# Altium PCB top_INA_v1.PcbDoc (part 3 of 4)
Units mil, origin at the board's own origin, x right, y up, seen from the top; angles counter-clockwise.
Board outline 13413.03 x 6200.01 mil, 2 copper layers (Top Layer, Bottom Layer); 588 components, 500 nets, 1582 pads, 343 vias.
Unrouted connection lines stored in the file: 191.
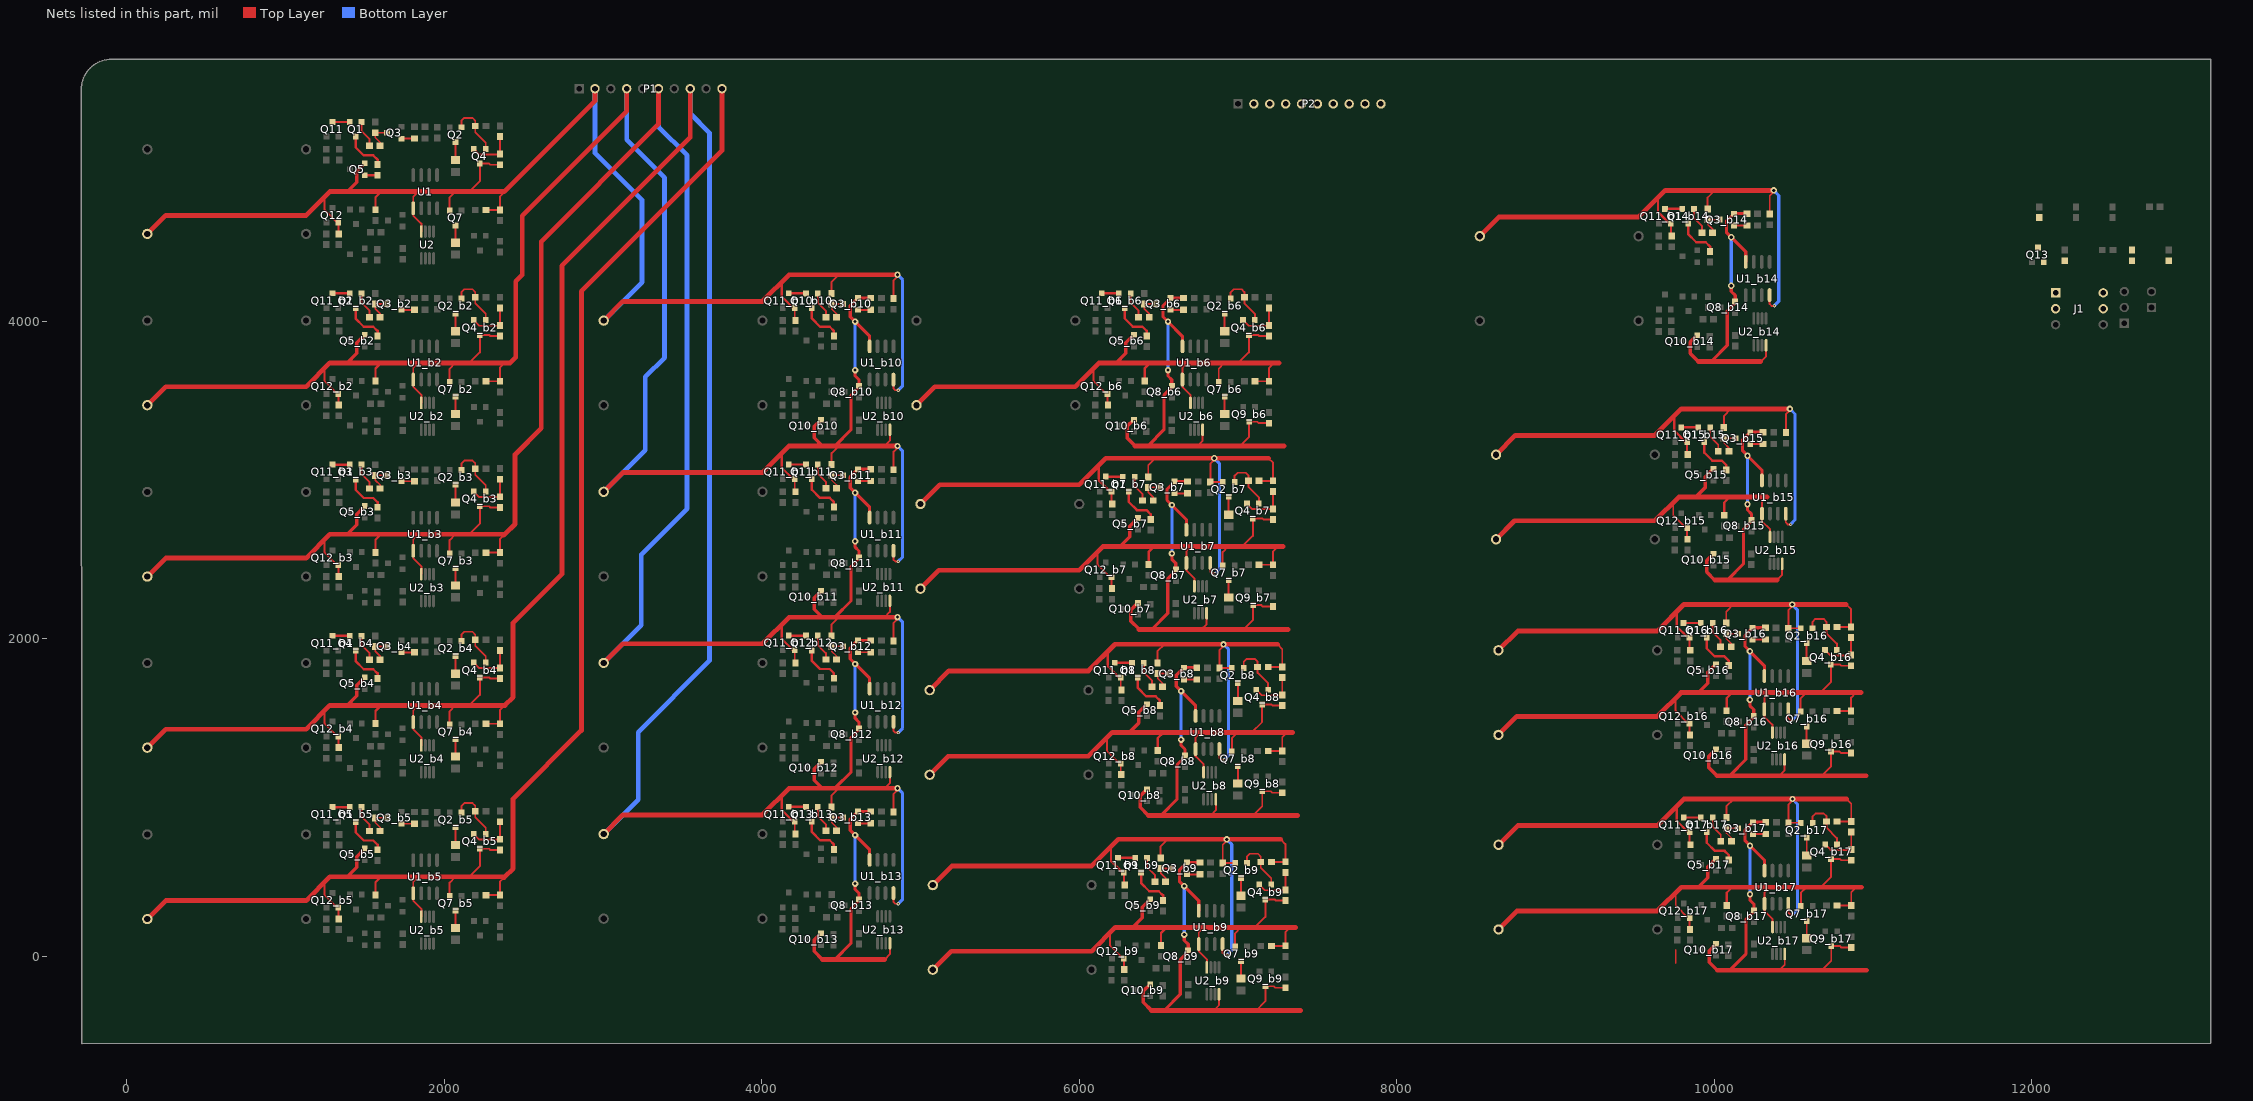
[diagram p3: the nets of this part, all layers, seen from the top]

## Via types
v1: diameter 20, hole 10, Top Layer to Bottom Layer, 290 vias
v2: diameter 40, hole 20, Top Layer to Bottom Layer, 51 vias
v3: diameter 125.98, hole 125.98, Top Layer to Bottom Layer, 2 vias

## Nets (pads, with @x,y where several pads share a name; then routed paths per layer and width w, separated by ;. In a path a pad name is that pad's centre, name@x,y a point inside that pad or via, vN(x,y) a via of type N, cw(c..) or ccw(c..) an arc to the next point about the centre after c; other vN are vias at no path point) (continued)
IN_A6: P2.3 Q2_b7.2 Q3_b6.2 Q5_b15.2 Q8_b6.2 Q9_b6.3 Q10_b6.2 Q11_b7.2 Q12_b15.2 R1_b7.2 R6_b7.2 R7_b7.2 R8_b7.2 R9_b7.2 R12_b6.1 R14_b15.2 R19_b15.2 R24_b6.1 R40_b7.1 R42_b15.1 U1_b6.4 U1_b7.8 U1_b15.5 U2_b6.4 U2_b15.8 | length 9643.9
  Top Layer w12: Q11_b7.2@6203.4,2927.74 6203.4,2853.06 R40_b7.1@6208,2848.46 ; R6_b7.2@6434.87,3019.2 6434.87,3091.53 6479.61,3136.28 ; 6742.87,3212.54 6743.8,3213.46 6777.25,3246.92 U2_b6.4@6777.25,3315.89 ; U1_b7.8@6824.87,2476.79 6824.87,2421.28 6836.87,2409.28 v1(6854.87,2409.28) ; v2(6850.87,3136.28) 6850.87,3126.28 6825.87,3101.28 R9_b7.2@6825.87,2986.74 6903.26,2986.74 Q2_b7.2@6903.46,2986.54 ; 7010.25,3213.46 7069.87,3273.08 Q9_b6.3@7069.87,3366.28 7122.61,3366.28 7131.81,3357.07 R24_b6.1@7195.87,3357.07 ; R7_b7.2@7132.33,2994.28 7220.4,2994.28 R8_b7.2@7220.87,2994.74 7220.87,3106.66 7191.25,3136.28 ; 9741,2856.52 9741,2776.74 9820.26,2697.48 Q12_b15.2@9828.4,2697.48 9828.4,2628.8 R42_b15.1@9831,2626.2 ; 10330.87,2892.02 10299.87,2861.02 U1_b15.5@10299.87,2787.53 10299.87,2741.02 10350.48,2690.4 U2_b15.8@10350.48,2640.66
  Top Layer w15: 6122,3085.53 6122,2999.56 Q11_b7.2@6193.82,2927.74 ; R19_b15.2@10061.87,2777.48 10061.87,2857.02 10096.87,2892.02 10100.87,2892.02
  Top Layer w20: Q11_b7.2@6193.82,2927.74 Q11_b7.2@6203.4,2927.74 ; 6433.87,3216.07 6532.87,3315.07 6532.87,3532.09 6583.13,3582.35 6583.13,3630.28 6558.73,3654.67 v2(6558.73,3691.54) ; 6453.87,3212.54 6454.8,3213.46 ; U1_b6.4@6649.87,3841.02 6649.87,3905.8 v2(6558.73,3996.94) 6527.73,4027.94 6527.73,4097.08 Q3_b6.2@6575.99,4145.34 R12_b6.1@6656.87,4145.34
  Top Layer w22: Q10_b6.2@6344.13,3379.94 6300.87,3336.68 6300.87,3264.54 6351.94,3213.46 ; 9882.87,2892.02 9942.87,2952.02 9942.87,3019.16 Q5_b15.2@9994.13,3070.42
  Top Layer w30: R1_b7.2@5000,2848 5121.02,2969.02 6000,2969.02 6167.25,3136.28 6479.61,3136.28 v2(6850.87,3136.28) ; 6351.94,3213.46 6454.8,3213.46 6743.8,3213.46 7010.25,3213.46 7291.32,3213.46 ; v2@6860.87,3136.28 7191.25,3136.28 ; R14_b15.2@8625,2625.74 8741.28,2742.02 9625,2742.02 9775,2892.02 9882.87,2892.02 10096.87,2892.02 ; 10100.87,2892.02 10330.87,2892.02
  Bottom Layer w20: v2(6558.73,3691.54) v2(6558.73,3996.94) ; v2(6850.87,3136.28) 6882.87,3104.28 6882.87,2437.28 v1(6854.87,2409.28)
IN_A7: P2.5 Q2_b8.2 Q3_b7.2 Q4_b16.3 Q5_b16.2 Q7_b16.2 Q8_b7.2 Q9_b7.3 Q10_b7.2 Q11_b8.2 Q12_b16.2 R1_b8.2 R6_b8.2 R7_b8.2 R8_b8.2 R9_b8.2 R12_b7.1 R13_b16.1 R14_b16.2 R19_b16.2 R20_b16.2 R21_b16.2 R24_b7.1 R40_b8.1 R42_b16.1 U1_b7.4 U1_b8.8 U1_b16.5 U2_b7.4 U2_b16.8 | length 10908.8
  Top Layer w12: Q11_b8.2@6261.4,1755.74 6261.4,1681.06 R40_b8.1@6266,1676.46 ; R6_b8.2@6492.87,1847.2 6492.87,1919.53 6537.61,1964.28 ; 6767.87,2057.28 6768.8,2058.2 6802.25,2091.66 U2_b7.4@6802.25,2160.63 ; U1_b8.8@6882.87,1304.79 6882.87,1249.28 6894.87,1237.28 v1(6912.87,1237.28) ; v2(6908.87,1964.28) 6908.87,1954.28 6883.87,1929.28 R9_b8.2@6883.87,1814.74 6961.26,1814.74 Q2_b8.2@6961.46,1814.54 ; 7035.25,2058.2 7094.87,2117.82 Q9_b7.3@7094.87,2211.02 7147.61,2211.02 7156.81,2201.81 R24_b7.1@7220.87,2201.81 ; R7_b8.2@7190.33,1822.28 7278.4,1822.28 R8_b8.2@7278.87,1822.74 7278.87,1934.66 7249.25,1964.28 ; 9756,1624.78 9756,1545 9835.26,1465.74 Q12_b16.2@9843.4,1465.74 9843.4,1397.06 R42_b16.1@9846,1394.46 ; 10345.87,1660.28 10314.87,1629.28 U1_b16.5@10314.87,1555.79 10314.87,1509.28 10365.48,1458.66 U2_b16.8@10365.48,1408.92 ; Q7_b16.2@10543.46,1540.54 10543.46,1623.87 10579.87,1660.28 ; 10667.87,1660.28 10733.87,1726.28 Q4_b16.3@10733.87,1837.02 10792.13,1837.02 10799.33,1829.81 R13_b16.1@10860.87,1829.81 ; R20_b16.2@10772.8,1544.74 R21_b16.2@10860.87,1544.74 10860.87,1629.28 10891.87,1660.28
  Top Layer w15: 6180,1913.53 6180,1827.56 Q11_b8.2@6251.82,1755.74 ; R19_b16.2@10076.87,1545.74 10076.87,1625.28 10111.87,1660.28 10115.87,1660.28
  Top Layer w20: Q11_b8.2@6251.82,1755.74 Q11_b8.2@6261.4,1755.74 ; 6458.87,2060.81 6557.87,2159.81 6557.87,2376.83 6608.13,2427.09 6608.13,2475.02 6583.73,2499.41 v2(6583.73,2536.28) ; 6478.87,2057.28 6479.8,2058.2 ; U1_b7.4@6674.87,2685.76 6674.87,2750.54 v2(6583.73,2841.68) 6552.73,2872.68 6552.73,2941.82 Q3_b7.2@6600.99,2990.08 R12_b7.1@6681.87,2990.08
  Top Layer w22: Q10_b7.2@6369.13,2224.68 6325.87,2181.42 6325.87,2109.28 6376.94,2058.2 ; 9897.87,1660.28 9957.87,1720.28 9957.87,1787.42 Q5_b16.2@10009.13,1838.68
  Top Layer w30: R1_b8.2@5058,1676 5179.02,1797.02 6058,1797.02 6225.25,1964.28 6537.61,1964.28 v2(6908.87,1964.28) ; 6376.94,2058.2 6479.8,2058.2 6768.8,2058.2 7035.25,2058.2 7316.32,2058.2 ; v2@6918.87,1964.28 7249.25,1964.28 ; R14_b16.2@8640,1394 8756.28,1510.28 9640,1510.28 9790,1660.28 9897.87,1660.28 10111.87,1660.28 ; 10115.87,1660.28 10345.87,1660.28 10579.87,1660.28 10667.87,1660.28 10891.87,1660.28 10925.4,1660.28
  Bottom Layer w20: v2(6583.73,2536.28) v2(6583.73,2841.68) ; v2(6908.87,1964.28) 6940.87,1932.28 6940.87,1265.28 v1(6912.87,1237.28)
IN_A8: P2.7 Q2_b9.2 Q3_b8.2 Q4_b17.3 Q5_b17.2 Q7_b17.2 Q8_b8.2 Q9_b8.3 Q10_b8.2 Q11_b9.2 Q12_b17.2 R1_b9.2 R6_b9.2 R7_b9.2 R8_b9.2 R9_b9.2 R12_b8.1 R13_b17.1 R14_b17.2 R19_b17.2 R20_b17.2 R21_b17.2 R24_b8.1 R40_b9.1 R42_b17.1 U1_b8.4 U1_b9.8 U1_b17.5 U2_b8.4 U2_b17.8 | length 10988.6
  Top Layer w12: Q11_b9.2@6281.4,527.74 6281.4,453.06 R40_b9.1@6286,448.46 ; R6_b9.2@6512.87,619.2 6512.87,691.53 6557.61,736.28 ; 6825.87,885.28 6826.8,886.2 6860.25,919.66 U2_b8.4@6860.25,988.63 ; U1_b9.8@6902.87,76.79 6902.87,21.28 6914.87,9.28 v1(6932.87,9.28) ; v2(6928.87,736.28) 6928.87,726.28 6903.87,701.28 R9_b9.2@6903.87,586.74 6981.26,586.74 Q2_b9.2@6981.46,586.54 ; 7093.25,886.2 7152.87,945.82 Q9_b8.3@7152.87,1039.02 7205.61,1039.02 7214.81,1029.81 R24_b8.1@7278.87,1029.81 ; R7_b9.2@7210.33,594.28 7298.4,594.28 R8_b9.2@7298.87,594.74 7298.87,706.66 7269.25,736.28 ; 9757,-41.52 9757,38.26 ; 9757,399.52 9757,319.74 9836.26,240.48 Q12_b17.2@9844.4,240.48 9844.4,171.8 R42_b17.1@9847,169.2 ; 10346.87,435.02 10315.87,404.02 U1_b17.5@10315.87,330.53 10315.87,284.02 10366.48,233.4 U2_b17.8@10366.48,183.66 ; Q7_b17.2@10544.46,315.28 10544.46,398.61 10580.87,435.02 ; 10668.87,435.02 10734.87,501.02 Q4_b17.3@10734.87,611.76 10793.13,611.76 10800.33,604.55 R13_b17.1@10861.87,604.55 ; R20_b17.2@10773.8,319.48 R21_b17.2@10861.87,319.48 10861.87,404.02 10892.87,435.02
  Top Layer w15: 6200,685.53 6200,599.56 Q11_b9.2@6271.82,527.74 ; R19_b17.2@10077.87,320.48 10077.87,400.02 10112.87,435.02 10116.87,435.02
  Top Layer w20: Q11_b9.2@6271.82,527.74 Q11_b9.2@6281.4,527.74 ; 6516.87,888.81 6615.87,987.81 6615.87,1204.83 6666.13,1255.09 6666.13,1303.02 6641.73,1327.41 v2(6641.73,1364.28) ; 6536.87,885.28 6537.8,886.2 ; U1_b8.4@6732.87,1513.76 6732.87,1578.54 v2(6641.73,1669.68) 6610.73,1700.68 6610.73,1769.82 Q3_b8.2@6658.99,1818.08 R12_b8.1@6739.87,1818.08
  Top Layer w22: Q10_b8.2@6427.13,1052.68 6383.87,1009.42 6383.87,937.28 6434.94,886.2 ; 9898.87,435.02 9958.87,495.02 9958.87,562.16 Q5_b17.2@10010.13,613.42
  Top Layer w30: R1_b9.2@5078,448 5199.02,569.02 6078,569.02 6245.25,736.28 6557.61,736.28 v2(6928.87,736.28) ; 6434.94,886.2 6537.8,886.2 6826.8,886.2 7093.25,886.2 7374.32,886.2 ; v2@6938.87,736.28 7269.25,736.28 ; R14_b17.2@8641,168.74 8757.28,285.02 9641,285.02 9791,435.02 9898.87,435.02 10112.87,435.02 ; 10116.87,435.02 10346.87,435.02 10580.87,435.02 10668.87,435.02 10892.87,435.02 10926.4,435.02
  Bottom Layer w20: v2(6641.73,1364.28) v2(6641.73,1669.68) ; v2(6928.87,736.28) 6960.87,704.28 6960.87,37.28 v1(6932.87,9.28)
IN_A9: P1.2 Q4.3 Q5.2 Q7.2 Q11_b10.2 Q12.2 R1_b10.2 R6_b10.2 R9_b10.2 R13.1 R14.2 R19.2 R20.2 R21.2 R40_b10.1 R42.1 U1.5 U1_b10.8 U2.8 | length 9910.4
  Top Layer w12: 1247,4780.04 1247,4700.26 1326.26,4621 Q12.2@1334.4,4621 1334.4,4552.32 R42.1@1337,4549.72 ; 1836.87,4815.54 1805.87,4784.54 U1.5@1805.87,4711.05 1805.87,4664.54 1856.48,4613.92 U2.8@1856.48,4564.18 ; Q7.2@2034.46,4695.8 2034.46,4779.13 2070.87,4815.54 ; 2158.87,4815.54 2224.87,4881.54 Q4.3@2224.87,4992.28 2283.13,4992.28 2290.33,4985.07 R13.1@2351.87,4985.07 ; R20.2@2263.8,4700 R21.2@2351.87,4700 2351.87,4784.54 2382.87,4815.54 ; Q11_b10.2@4208.4,4083 4208.4,4008.32 R40_b10.1@4213,4003.72 ; R6_b10.2@4439.87,4174.46 4439.87,4246.79 4484.61,4291.54 ; U1_b10.8@4829.87,3632.05 4829.87,3576.54 4841.87,3564.54 v1(4859.87,3564.54) ; R9_b10.2@4830.87,4142 4830.87,4256.54 4855.87,4281.54 v2(4855.87,4291.54)
  Top Layer w15: R19.2@1567.87,4701 1567.87,4780.54 1602.87,4815.54 1606.87,4815.54 ; 4127,4240.79 4127,4154.82 Q11_b10.2@4198.82,4083
  Top Layer w20: Q11_b10.2@4198.82,4083 Q11_b10.2@4208.4,4083
  Top Layer w22: 1388.87,4815.54 1448.87,4875.54 1448.87,4942.68 Q5.2@1500.13,4993.94
  Top Layer w30: R14.2@131,4549.26 247.28,4665.54 1131,4665.54 1281,4815.54 1388.87,4815.54 1602.87,4815.54 ; 1606.87,4815.54 1836.87,4815.54 2070.87,4815.54 2158.87,4815.54 2379.54,4815.54 2950,5386 P1.2@2950,5464 ; R1_b10.2@3005,4003.26 3126.02,4124.28 4005,4124.28 4172.25,4291.54 4484.61,4291.54 v2(4855.87,4291.54)
  Bottom Layer w20: v2(4855.87,4291.54) 4887.87,4259.54 4887.87,3592.54 v1(4859.87,3564.54)
  Bottom Layer w30: P1.2@2950,5464 2950,5059.05 3247.03,4762.03 3247.03,4245.28 R1_b10.2@3005,4003.26
IN_A10: P1.4 Q3_b10.2 Q4_b2.3 Q5_b2.2 Q7_b2.2 Q8_b10.2 Q10_b10.2 Q11_b11.2 Q12_b2.2 R1_b11.2 R6_b11.2 R9_b11.2 R12_b10.1 R13_b2.1 R14_b2.2 R19_b2.2 R20_b2.2 R21_b2.2 R40_b11.1 R42_b2.1 U1_b2.5 U1_b10.4 U1_b11.8 U2_b2.8 U2_b10.4 | length 14231
  Top Layer w12: 1247,3701.04 1247,3621.26 1326.26,3542 Q12_b2.2@1334.4,3542 1334.4,3473.32 R42_b2.1@1337,3470.72 ; 1836.87,3736.54 1805.87,3705.54 U1_b2.5@1805.87,3632.05 1805.87,3585.54 1856.48,3534.92 U2_b2.8@1856.48,3485.18 ; Q7_b2.2@2034.46,3616.8 2034.46,3700.13 2070.87,3736.54 ; 2158.87,3736.54 2224.87,3802.54 Q4_b2.3@2224.87,3913.28 2283.13,3913.28 2290.33,3906.07 R13_b2.1@2351.87,3906.07 ; R20_b2.2@2263.8,3621 R21_b2.2@2351.87,3621 2351.87,3705.54 2382.87,3736.54 ; Q11_b11.2@4208.4,3005 4208.4,2930.32 R40_b11.1@4213,2925.72 ; R6_b11.2@4439.87,3096.46 4439.87,3168.79 4484.54,3213.46 4484.61,3213.54 ; 4772.87,3212.54 4773.8,3213.46 4773.87,3213.54 4807.25,3246.92 U2_b10.4@4807.25,3315.89 ; U1_b11.8@4829.87,2554.05 4829.87,2498.54 4841.87,2486.54 v1(4859.87,2486.54) ; R9_b11.2@4830.87,3064 4830.87,3178.54 4855.87,3203.54 v2(4855.87,3213.54)
  Top Layer w15: R19_b2.2@1567.87,3622 1567.87,3701.54 1602.87,3736.54 1606.87,3736.54 ; 4127,3162.79 4127,3076.82 Q11_b11.2@4198.82,3005
  Top Layer w20: Q11_b11.2@4198.82,3005 Q11_b11.2@4208.4,3005 ; 4463.87,3216.07 4562.87,3315.07 4562.87,3532.09 4613.13,3582.35 Q8_b10.2@4613.13,3591.94 4613.13,3630.28 4588.73,3654.67 v2(4588.73,3691.54) ; 4483.87,3212.54 4484.8,3213.46 ; U1_b10.4@4679.87,3841.02 4679.87,3905.8 v2(4588.73,3996.94) 4557.73,4027.94 4557.73,4097.08 Q3_b10.2@4605.99,4145.34 R12_b10.1@4686.87,4145.34
  Top Layer w22: 1388.87,3736.54 1448.87,3796.54 1448.87,3863.68 Q5_b2.2@1500.13,3914.94 ; Q10_b10.2@4374.13,3379.94 4330.87,3336.68 4330.87,3264.54 4381.87,3213.54 4381.94,3213.46
  Top Layer w30: R14_b2.2@131,3470.26 247.28,3586.54 1131,3586.54 1281,3736.54 1388.87,3736.54 1602.87,3736.54 ; 1606.87,3736.54 1836.87,3736.54 2070.87,3736.54 2158.87,3736.54 2382.87,3736.54 2416.4,3736.54 2451,3771.13 2451,4250 2492,4291 2492,4664.16 3150,5322.16 P1.4@3150,5464 ; R1_b11.2@3005,2925.26 3126.02,3046.28 4005,3046.28 4172.25,3213.54 4381.87,3213.54 4484.61,3213.54 4773.87,3213.54 v2(4855.87,3213.54) ; 4381.94,3213.46 4484.54,3213.46 4484.8,3213.46 4773.8,3213.46
  Bottom Layer w20: v2(4588.73,3691.54) v2(4588.73,3996.94) ; v2(4855.87,3213.54) 4887.87,3181.54 4887.87,2514.54 v1(4859.87,2486.54)
  Bottom Layer w30: R1_b11.2@3005,2925.26 3267,3187.26 3267,3648.62 3388.45,3770.07 3388.45,4903.45 3150,5141.89 P1.4@3150,5464
IN_A11: P1.6 Q3_b11.2 Q4_b3.3 Q5_b3.2 Q7_b3.2 Q8_b11.2 Q10_b11.2 Q11_b12.2 Q12_b3.2 R1_b12.2 R6_b12.2 R9_b12.2 R12_b11.1 R13_b3.1 R14_b3.2 R19_b3.2 R20_b3.2 R21_b3.2 R40_b12.1 R42_b3.1 U1_b3.5 U1_b11.4 U1_b12.8 U2_b3.8 U2_b11.4 | length 16485.5
  Top Layer w12: 1247,2622.04 1247,2542.26 1326.26,2463 Q12_b3.2@1334.4,2463 1334.4,2394.32 R42_b3.1@1337,2391.72 ; 1836.87,2657.54 1805.87,2626.54 U1_b3.5@1805.87,2553.05 1805.87,2506.54 1856.48,2455.92 U2_b3.8@1856.48,2406.18 ; Q7_b3.2@2034.46,2537.8 2034.46,2621.13 2070.87,2657.54 ; 2158.87,2657.54 2224.87,2723.54 Q4_b3.3@2224.87,2834.28 2283.13,2834.28 2290.33,2827.07 R13_b3.1@2351.87,2827.07 ; R20_b3.2@2263.8,2542 R21_b3.2@2351.87,2542 2351.87,2626.54 2376.17,2650.83 ; Q11_b12.2@4208.4,1927 4208.4,1852.32 R40_b12.1@4213,1847.72 ; R6_b12.2@4439.87,2018.46 4439.87,2090.79 4484.54,2135.46 4484.61,2135.54 ; 4772.87,2134.54 4773.8,2135.46 4773.87,2135.54 4807.25,2168.92 U2_b11.4@4807.25,2237.89 ; U1_b12.8@4829.87,1476.05 4829.87,1420.54 4841.87,1408.54 v1(4859.87,1408.54) ; R9_b12.2@4830.87,1986 4830.87,2100.54 4855.87,2125.54 v2(4855.87,2135.54)
  Top Layer w15: R19_b3.2@1567.87,2543 1567.87,2622.54 1602.87,2657.54 1606.87,2657.54 ; 4127,2084.79 4127,1998.82 Q11_b12.2@4198.82,1927
  Top Layer w20: Q11_b12.2@4198.82,1927 Q11_b12.2@4208.4,1927 ; 4463.87,2138.07 4562.87,2237.07 4562.87,2454.09 4613.13,2504.35 Q8_b11.2@4613.13,2513.94 4613.13,2552.28 4588.73,2576.67 v2(4588.73,2613.54) ; 4483.87,2134.54 4484.8,2135.46 ; U1_b11.4@4679.87,2763.02 4679.87,2827.8 v2(4588.73,2918.94) 4557.73,2949.94 4557.73,3019.08 Q3_b11.2@4605.99,3067.34 R12_b11.1@4686.87,3067.34
  Top Layer w22: 1388.87,2657.54 1448.87,2717.54 1448.87,2784.68 Q5_b3.2@1500.13,2835.94 ; Q10_b11.2@4374.13,2301.94 4330.87,2258.68 4330.87,2186.54 4381.87,2135.54 4381.94,2135.46
  Top Layer w30: R14_b3.2@131,2391.26 247.28,2507.54 1131,2507.54 1281,2657.54 1388.87,2657.54 1602.87,2657.54 ; 1606.87,2657.54 1836.87,2657.54 2070.87,2657.54 2158.87,2657.54 2382.87,2657.54 ; 2376.17,2650.83 2382.87,2657.54 ; R1_b12.2@3005,1847.26 3126.02,1968.28 4005,1968.28 4172.25,2135.54 4381.87,2135.54 4484.61,2135.54 4773.87,2135.54 v2(4855.87,2135.54) ; P1.6@3350,5464 3350,5239.31 2612,4501.31 2612,3325 2446.5,3159.5 2446.5,2721.17 2382.87,2657.54 ; 4381.94,2135.46 4484.54,2135.46 4484.8,2135.46 4773.8,2135.46
  Bottom Layer w20: v2(4588.73,2613.54) v2(4588.73,2918.94) ; v2(4855.87,2135.54) 4887.87,2103.54 4887.87,1436.54 v1(4859.87,1408.54)
  Bottom Layer w30: R1_b12.2@3005,1847.26 3242,2084.26 3242,2530 3529.87,2817.87 3529.87,5044.87 3350,5224.74 P1.6@3350,5464
IN_A12: P1.8 Q3_b12.2 Q4_b4.3 Q5_b4.2 Q7_b4.2 Q8_b12.2 Q10_b12.2 Q11_b13.2 Q12_b4.2 R1_b13.2 R6_b13.2 R9_b13.2 R12_b12.1 R13_b4.1 R14_b4.2 R19_b4.2 R20_b4.2 R21_b4.2 R40_b13.1 R42_b4.1 U1_b4.5 U1_b12.4 U1_b13.8 U2_b4.8 U2_b12.4 | length 18758.7
  Top Layer w12: 1247,1544.04 1247,1464.26 1326.26,1385 Q12_b4.2@1334.4,1385 1334.4,1316.32 R42_b4.1@1337,1313.72 ; 1836.87,1579.54 1805.87,1548.54 U1_b4.5@1805.87,1475.05 1805.87,1428.54 1856.48,1377.92 U2_b4.8@1856.48,1328.18 ; Q7_b4.2@2034.46,1459.8 2034.46,1543.13 2070.87,1579.54 ; 2158.87,1579.54 2224.87,1645.54 Q4_b4.3@2224.87,1756.28 2283.13,1756.28 2290.33,1749.07 R13_b4.1@2351.87,1749.07 ; R20_b4.2@2263.8,1464 R21_b4.2@2351.87,1464 2351.87,1548.54 2382.87,1579.54 ; Q11_b13.2@4208.4,849 4208.4,774.32 R40_b13.1@4213,769.72 ; R6_b13.2@4439.87,940.46 4439.87,1012.79 4484.54,1057.46 4484.61,1057.54 ; 4772.87,1056.54 4773.8,1057.46 4773.87,1057.54 4807.25,1090.92 U2_b12.4@4807.25,1159.89 ; U1_b13.8@4829.87,398.05 4829.87,342.54 4841.87,330.54 v1(4859.87,330.54) ; R9_b13.2@4830.87,908 4830.87,1022.54 4855.87,1047.54 v2(4855.87,1057.54)
  Top Layer w15: R19_b4.2@1567.87,1465 1567.87,1544.54 1602.87,1579.54 1606.87,1579.54 ; 4127,1006.79 4127,920.82 Q11_b13.2@4198.82,849
  Top Layer w20: Q11_b13.2@4198.82,849 Q11_b13.2@4208.4,849 ; 4463.87,1060.07 4562.87,1159.07 4562.87,1376.09 4613.13,1426.35 Q8_b12.2@4613.13,1435.94 4613.13,1474.28 4588.73,1498.67 v2(4588.73,1535.54) ; 4483.87,1056.54 4484.8,1057.46 ; U1_b12.4@4679.87,1685.02 4679.87,1749.8 v2(4588.73,1840.94) 4557.73,1871.94 4557.73,1941.08 Q3_b12.2@4605.99,1989.34 R12_b12.1@4686.87,1989.34
  Top Layer w22: 1388.87,1579.54 1448.87,1639.54 1448.87,1706.68 Q5_b4.2@1500.13,1757.94 ; Q10_b12.2@4374.13,1223.94 4330.87,1180.68 4330.87,1108.54 4381.87,1057.54 4381.94,1057.46
  Top Layer w30: R14_b4.2@131,1313.26 247.28,1429.54 1131,1429.54 1281,1579.54 1388.87,1579.54 1602.87,1579.54 ; 1606.87,1579.54 1836.87,1579.54 2070.87,1579.54 2158.87,1579.54 2382.87,1579.54 2434,1630.67 2434,2099 2742,2407 2742,4348.47 3550,5156.47 P1.8@3550,5464 ; R1_b13.2@3005,769.26 3126.02,890.28 4005,890.28 4172.25,1057.54 4381.87,1057.54 4484.61,1057.54 4773.87,1057.54 v2(4855.87,1057.54) ; 4381.94,1057.46 4484.54,1057.46 4484.8,1057.46 4773.8,1057.46
  Bottom Layer w20: v2(4588.73,1535.54) v2(4588.73,1840.94) ; v2(4855.87,1057.54) 4887.87,1025.54 4887.87,358.54 v1(4859.87,330.54)
  Bottom Layer w30: R1_b13.2@3005,769.26 3222,986.26 3222,1411 3671.29,1860.29 3671.29,5186.29 3550,5307.58 P1.8@3550,5464
IN_A13: P1.10 Q3_b13.2 Q4_b5.3 Q5_b5.2 Q7_b5.2 Q8_b13.2 Q10_b13.2 Q11_b14.2 Q12_b5.2 R1_b14.2 R6_b14.2 R9_b14.2 R12_b13.1 R13_b5.1 R14_b5.2 R19_b5.2 R20_b5.2 R21_b5.2 R40_b14.1 R42_b5.1 U1_b5.5 U1_b13.4 U1_b14.8 U2_b5.8 U2_b13.4 | length 14899.6
  Top Layer w12: 1247,465.04 1247,385.26 1326.26,306 Q12_b5.2@1334.4,306 1334.4,237.32 R42_b5.1@1337,234.72 ; 1836.87,500.54 1805.87,469.54 U1_b5.5@1805.87,396.05 1805.87,349.54 1856.48,298.92 U2_b5.8@1856.48,249.18 ; Q7_b5.2@2034.46,380.8 2034.46,464.13 2070.87,500.54 ; 2158.87,500.54 2224.87,566.54 Q4_b5.3@2224.87,677.28 2283.13,677.28 2290.33,670.07 R13_b5.1@2351.87,670.07 ; R20_b5.2@2263.8,385 R21_b5.2@2351.87,385 2351.87,469.54 2377.67,495.33 ; 4772.87,-21.46 4773.8,-20.54 4807.25,12.92 U2_b13.4@4807.25,81.89 ; Q11_b14.2@9726.4,4614.74 9726.4,4540.06 R40_b14.1@9731,4535.46 ; R6_b14.2@9957.87,4706.2 9957.87,4778.53 10002.61,4823.28 ; U1_b14.8@10347.87,4163.79 10347.87,4108.28 10359.87,4096.28 v1(10377.87,4096.28) ; R9_b14.2@10348.87,4673.74 10348.87,4788.28 10373.87,4813.28 v2(10373.87,4823.28)
  Top Layer w15: R19_b5.2@1567.87,386 1567.87,465.54 1602.87,500.54 1606.87,500.54 ; 9645,4772.53 9645,4686.56 Q11_b14.2@9716.82,4614.74
  Top Layer w20: 4463.87,-17.93 4562.87,81.07 4562.87,298.09 4613.13,348.35 4613.13,396.28 4588.73,420.67 v2(4588.73,457.54) ; 4483.87,-21.46 4484.8,-20.54 ; U1_b13.4@4679.87,607.02 4679.87,671.8 v2(4588.73,762.94) 4557.73,793.94 4557.73,863.08 Q3_b13.2@4605.99,911.34 R12_b13.1@4686.87,911.34 ; Q11_b14.2@9716.82,4614.74 Q11_b14.2@9726.4,4614.74
  Top Layer w22: 1388.87,500.54 1448.87,560.54 1448.87,627.68 Q5_b5.2@1500.13,678.94 ; Q10_b13.2@4374.13,145.94 4330.87,102.68 4330.87,30.54 4381.94,-20.54
  Top Layer w30: R14_b5.2@131,234.26 247.28,350.54 1131,350.54 1281,500.54 1388.87,500.54 1602.87,500.54 ; 1606.87,500.54 1836.87,500.54 2070.87,500.54 2158.87,500.54 2382.87,500.54 ; 2377.67,495.33 2382.87,500.54 ; P1.10@3750,5464 3750,5073.63 2865,4188.63 2865,1422 2434,991 2434,551.67 2382.87,500.54 ; 4381.94,-20.54 4484.8,-20.54 4773.8,-20.54 ; R1_b14.2@8523,4535 8644.02,4656.02 9523,4656.02 9690.25,4823.28 10002.61,4823.28 v2(10373.87,4823.28)
  Bottom Layer w20: v2(4588.73,457.54) v2(4588.73,762.94) ; v2(10373.87,4823.28) 10405.87,4791.28 10405.87,4124.28 v1(10377.87,4096.28)
IN_A14: P2.2 Q3_b14.2 Q4_b6.3 Q5_b6.2 Q7_b6.2 Q8_b14.2 Q10_b14.2 Q11_b15.2 Q12_b6.2 R1_b15.2 R6_b15.2 R9_b15.2 R12_b14.1 R13_b6.1 R14_b6.2 R19_b6.2 R20_b6.2 R21_b6.2 R40_b15.1 R42_b6.1 U1_b6.5 U1_b14.4 U1_b15.8 U2_b6.8 U2_b14.4 | length 9403.4
  Top Layer w12: 6091,3701.04 6091,3621.26 6170.26,3542 Q12_b6.2@6178.4,3542 6178.4,3473.32 R42_b6.1@6181,3470.72 ; 6680.87,3736.54 6649.87,3705.54 U1_b6.5@6649.87,3632.05 6649.87,3585.54 6700.48,3534.92 U2_b6.8@6700.48,3485.18 ; Q7_b6.2@6878.46,3616.8 6878.46,3700.13 6914.87,3736.54 ; 7002.87,3736.54 7068.87,3802.54 Q4_b6.3@7068.87,3913.28 7127.13,3913.28 7134.33,3906.07 R13_b6.1@7195.87,3906.07 ; R20_b6.2@7107.8,3621 R21_b6.2@7195.87,3621 7195.87,3705.54 7226.87,3736.54 ; Q11_b15.2@9828.4,3238.48 9828.4,3163.8 R40_b15.1@9833,3159.2 ; R6_b15.2@10059.87,3329.94 10059.87,3402.27 10104.61,3447.02 ; 10290.87,3744.28 10291.8,3745.2 10325.25,3778.66 U2_b14.4@10325.25,3847.63 ; U1_b15.8@10449.87,2787.53 10449.87,2732.02 10461.87,2720.02 v1(10479.87,2720.02) ; R9_b15.2@10450.87,3297.48 10450.87,3412.02 10475.87,3437.02 v2(10475.87,3447.02)
  Top Layer w15: R19_b6.2@6411.87,3622 6411.87,3701.54 6446.87,3736.54 6450.87,3736.54 ; 9747,3396.27 9747,3310.3 Q11_b15.2@9818.82,3238.48
  Top Layer w20: Q11_b15.2@9818.82,3238.48 Q11_b15.2@9828.4,3238.48 ; 9981.87,3747.81 10080.87,3846.81 10080.87,4063.83 10131.13,4114.09 10131.13,4162.02 10106.73,4186.41 v2(10106.73,4223.28) ; 10001.87,3744.28 10002.8,3745.2 ; U1_b14.4@10197.87,4372.76 10197.87,4437.54 v2(10106.73,4528.68) 10075.73,4559.68 10075.73,4628.82 Q3_b14.2@10123.99,4677.08 R12_b14.1@10204.87,4677.08
  Top Layer w22: 6232.87,3736.54 6292.87,3796.54 6292.87,3863.68 Q5_b6.2@6344.13,3914.94 ; Q10_b14.2@9892.13,3911.68 9848.87,3868.42 9848.87,3796.28 9899.94,3745.2
  Top Layer w30: R14_b6.2@4975,3470.26 5091.28,3586.54 5975,3586.54 6125,3736.54 6232.87,3736.54 6446.87,3736.54 ; 6450.87,3736.54 6680.87,3736.54 6914.87,3736.54 7002.87,3736.54 7226.87,3736.54 7260.4,3736.54 ; R1_b15.2@8625,3158.74 8746.02,3279.76 9625,3279.76 9792.25,3447.02 10104.61,3447.02 v2(10475.87,3447.02) ; 9899.94,3745.2 10002.8,3745.2 10291.8,3745.2